# KiCad board berlin.kicad_pcb (continued)
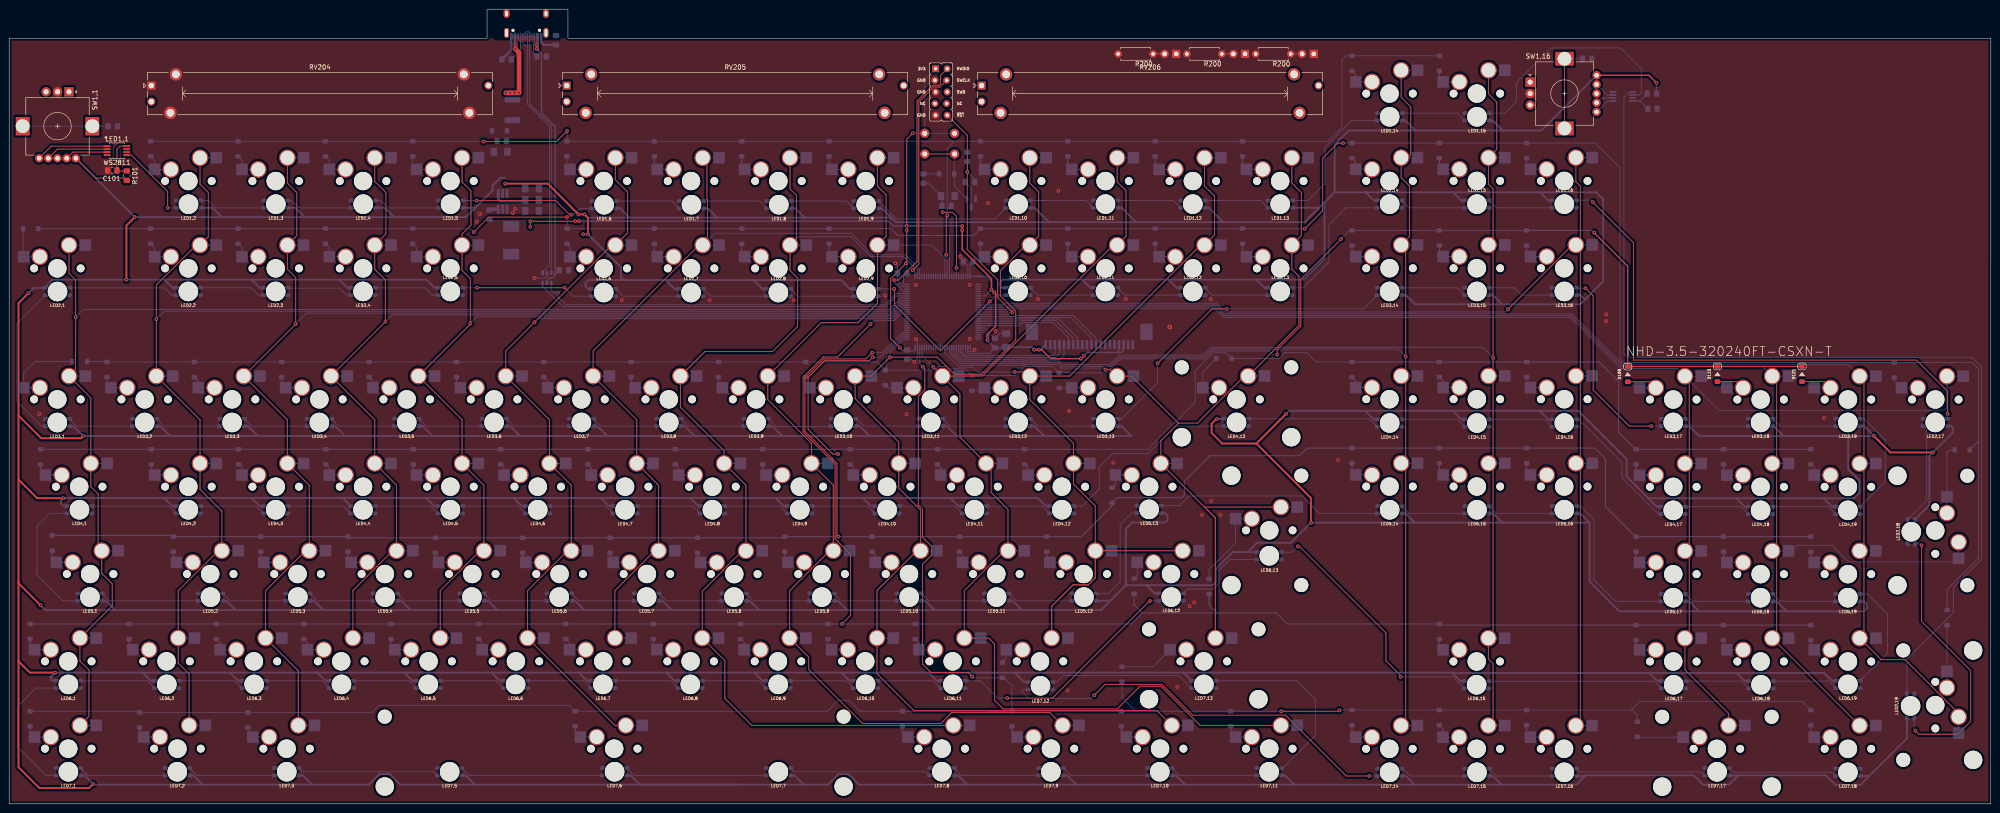
[diagram p0: board, top side]
## Placement (name value [footprint] x y rotation side) (continued)
SW6,17  MXSwitch  [MX100H]  362.93 31.05 180 bottom
SW6,18  MXSwitch  [MX100H]  381.98 31.05 180 bottom
SW6,19  MXSwitch  [MX100H]  401.03 31.05 180 bottom
SW7,1  MXSwitch  [MX125H]  12.89 12.03 180 bottom
SW7,2  MXSwitch  [MX125H]  36.7 12.03 180 bottom
SW7,3  MXSwitch  [MX125H]  60.52 12.03 180 bottom
SW7,6  MXSwitch  [MX625H]  131.95 12.03 180 bottom
SW7,8  MXSwitch  [MX125H]  203.39 12.03 180 bottom
SW7,9  MXSwitch  [MX125H]  227.2 12.03 180 bottom
SW7,10  MXSwitch  [MX125H]  251.02 12.03 180 bottom
SW7,11  MXSwitch  [MX125H]  274.83 12.03 180 bottom
SW7,12  MXSwitch  [MX100H]  224.82 31.08 180 bottom
SW7,13  MXSwitch  [MX275H]  260.54 31.08 180 bottom
SW7,14  MXSwitch  [MX100H]  301.02 12 180 bottom
SW7,15  MXSwitch  [MX100H]  320.07 12 180 bottom
SW7,16  MXSwitch  [MX100H]  339.12 12 180 bottom
SW7,17  MXSwitch  [MX200H]  372.46 12 180 bottom
SW7,18  MXSwitch  [MX100H]  401.03 12 180 bottom
SW201  SW_Push  [SW_PUSH_6mm_H5mm]  206.2 146.27 180 bottom
U501  LQFP100  [STM32F072VBT6]  203.58 107.31 180 bottom
U701  USBLC6-2SC6  [SOT-23-6]  117.28 114.72 270 bottom
U702  AP63203WU-7  [TSOT-23-6_HandSoldering]  107.62 131.42 270 bottom

## Footprints (pads in the part's own frame, mm; a bottom-side part is the same pattern mirrored in y, then rotated)
C_0805_2012Metric_Pad1.15x1.40mm_HandSolder
  rrect 1.15x1.4 smd: 1(-1.025,0) 2(1.025,0)
C_1206_3216Metric_Pad1.42x1.75mm_HandSolder
  rrect 1.425x1.75 smd: 1(-1.488,0) 2(1.488,0)
Conn_ARM_JTAG_SWD_10
  rect 1.524x1.524 hole 0.762: 1(-1.206,5.08)
  oval 1.524x1.524 hole 0.762: 2(1.333,5.08) 3(-1.333,2.54) 4(1.206,2.54) 5(-1.206,0) 6(1.333,0) 7(-1.333,-2.54) 8(1.206,-2.54) 9(-1.206,-5.08) 10(1.333,-5.08)
D_SOD-123
  rrect 1x1.2 smd: 1(-1.65,0) 2(1.65,0)
Fuse_1812_4532Metric_Pad1.30x3.40mm_HandSolder
  rrect 1.3x3.4 smd: 1(-2.225,0) 2(2.225,0)
L_0805_2012Metric_Pad1.15x1.40mm_HandSolder
  rrect 1.15x1.4 smd: 1(-1.025,0) 2(1.025,0)
LED_THT_2.54mm
  round 0.889 smd: (-1.27,0) (1.27,0)
  round 1.778 hole 1.016: A(-1.27,0)
  rrect 1.778x1.778 hole 0.991: K(1.27,0)
MX100H
  round 1.702 hole 1.702 unplated: (-5.08,0) (5.08,0)
  round 3.6 hole 3.048: (-2.54,5.08) (3.81,2.54)
  round 3.988 hole 3.988 unplated: (0,0)
  rrect 2.54x2.54 smd: 1(-6.096,5.08) 2(7.366,2.54)
MX125H
  round 1.702 hole 1.702 unplated: (-5.08,0) (5.08,0)
  round 3.6 hole 3.048: (-2.54,5.08) (3.81,2.54)
  round 3.988 hole 3.988 unplated: (0,0)
  rrect 2.54x2.54 smd: 1(-6.096,5.08) 2(7.366,2.54)
MX150H
  round 1.702 hole 1.702 unplated: (-5.08,0) (5.08,0)
  round 3.6 hole 3.048: (-2.54,5.08) (3.81,2.54)
  round 3.988 hole 3.988 unplated: (0,0)
  rrect 2.54x2.54 smd: 1(-6.096,5.08) 2(7.366,2.54)
MX175H
  round 1.702 hole 1.702 unplated: (-5.08,0) (5.08,0)
  round 3.6 hole 3.048: (-2.54,5.08) (3.81,2.54)
  round 3.988 hole 3.988 unplated: (0,0)
  rrect 2.54x2.54 smd: 1(-6.096,5.08) 2(7.366,2.54)
MX200H
  round 3.988 hole 3.988 unplated: (-11.938,-8.255) (0,0) (11.938,-8.255)
  round 3.048 hole 3.048 unplated: (-11.938,6.985) (11.938,6.985)
  round 1.702 hole 1.702 unplated: (-5.08,0) (5.08,0)
  round 3.6 hole 3.048: (-2.54,5.08) (3.81,2.54)
  rrect 2.54x2.54 smd: 1(-6.096,5.08) 2(7.366,2.54)
MX200HR
  round 3.048 hole 3.048 unplated: (-11.938,-6.985) (11.938,-6.985)
  round 3.988 hole 3.988 unplated: (-11.938,8.255) (0,0) (11.938,8.255)
  round 1.702 hole 1.702 unplated: (-5.08,0) (5.08,0)
  round 3.6 hole 3.048: (-2.54,5.08) (3.81,2.54)
  rrect 2.54x2.54 smd: 1(-6.096,5.08) 2(7.366,2.54)
MX275H
  round 3.988 hole 3.988 unplated: (-11.938,-8.255) (0,0) (11.938,-8.255)
  round 3.048 hole 3.048 unplated: (-11.938,6.985) (11.938,6.985)
  round 1.702 hole 1.702 unplated: (-5.08,0) (5.08,0)
  round 3.6 hole 3.048: (-2.54,5.08) (3.81,2.54)
  rrect 2.54x2.54 smd: 1(-6.096,5.08) 2(7.366,2.54)
MX625H
  round 3.988 hole 3.988 unplated: (-50.038,-8.255) (0,0) (50.038,-8.255)
  round 3.048 hole 3.048 unplated: (-50.038,6.985) (50.038,6.985)
  round 1.702 hole 1.702 unplated: (-5.08,0) (5.08,0)
  round 3.6 hole 3.048: (-2.54,5.08) (3.81,2.54)
  rrect 2.54x2.54 smd: 1(-6.096,5.08) 2(7.366,2.54)
MX_ISOEnterH
  round 3.048 hole 3.048 unplated: (-6.985,-11.938) (-6.985,11.938)
  round 1.702 hole 1.702 unplated: (-5.08,0) (5.08,0)
  round 3.6 hole 3.048: (-2.54,5.08) (3.81,2.54)
  round 3.988 hole 3.988 unplated: (0,0) (8.255,-11.938) (8.255,11.938)
  rrect 2.54x2.54 smd: 1(-6.096,5.08) 2(7.366,2.54)
Potentiometer_Bourns_PTA6043_Single_Slide
  rect 1.75x1.75 hole 1.2: 1(0,0)
  round 1.75 hole 1.2: 2(0,-3.5) 3(73.5,0)
  round 2.7 hole 1.7: MP(4.15,-5.95) MP(5.35,2.45) MP(68.15,2.45) MP(69.35,-5.95)
R_0805_2012Metric_Pad1.15x1.40mm_HandSolder
  rrect 1.15x1.4 smd: 1(-1.025,0) 2(1.025,0)
R_Axial_DIN0207_L6.3mm_D2.5mm_P7.62mm_Horizontal
  round 1.6 hole 0.8: 1(0,0)
  oval 1.6x1.6 hole 0.8: 2(7.62,0)
RotaryEncoder_Switch_RGB
  round 1.8 hole 1: +(14.5,1.5) B(14.5,-0.5) G(14.5,-4.5) R(14.5,-6.5) SW(14.5,-2.5)
  rect 2x2 hole 1.1: A(0,0)
  round 2 hole 1.1: B(0,-5) C(0,-2.5)
  rect 4x3 hole 3: MP(7.5,5.1) MP(7.5,-10.1)
SK6812MINI_3535_6028_3.2x2.8mm_Round
  round 4.25 hole 4.25 unplated: (0,0)
  custom 1.215x0.803 smd far side: 5V(2.667,-0.8) DIN(-2.642,-0.8) DOUT(2.642,0.8)
  custom 1.225x0.85 smd far side: GND(-2.565,0.8)
SOT-23
  rrect 1.475x0.6 smd: 1(-0.938,0.95) 2(-0.938,-0.95) 3(0.938,0)
SOT-23-6
  rect 1.06x0.65 smd: 1(-1.1,0.95)
  rrect 1.06x0.65 smd: 2(-1.1,0) 3(-1.1,-0.95) 4(1.1,-0.95) 5(1.1,0) 6(1.1,0.95)
STM32F072VBT6
  rect 1.194x0.305 smd: 1(-7.75,6) 2(-7.75,5.5) 3(-7.75,5) 4(-7.75,4.5) 5(-7.75,4) 6(-7.75,3.5) 7(-7.75,3) 8(-7.75,2.5) 9(-7.75,2) 10(-7.75,1.5) 11(-7.75,1) 12(-7.75,0.5) 13(-7.75,0) 14(-7.75,-0.5) 15(-7.75,-1) 16(-7.75,-1.5) 17(-7.75,-2) 18(-7.75,-2.5) 19(-7.75,-3) 20(-7.75,-3.5) 21(-7.75,-4) 22(-7.75,-4.5) 23(-7.75,-5) 24(-7.75,-5.5) 25(-7.75,-6) 51(7.75,-6) 52(7.75,-5.5) 53(7.75,-5) 54(7.75,-4.5) 55(7.75,-4) 56(7.75,-3.5) 57(7.75,-3) 58(7.75,-2.5) 59(7.75,-2) 60(7.75,-1.5) 61(7.75,-1) 62(7.75,-0.5) 63(7.75,0) 64(7.75,0.5) 65(7.75,1) 66(7.75,1.5) 67(7.75,2) 68(7.75,2.5) 69(7.75,3) 70(7.75,3.5) 71(7.75,4) 72(7.75,4.5) 73(7.75,5) 74(7.75,5.5) 75(7.75,6)
  rect 0.305x1.194 smd: 26(-6,-7.75) 27(-5.5,-7.75) 28(-5,-7.75) 29(-4.5,-7.75) 30(-4,-7.75) 31(-3.5,-7.75) 32(-3,-7.75) 33(-2.5,-7.75) 34(-2,-7.75) 35(-1.5,-7.75) 36(-1,-7.75) 37(-0.5,-7.75) 38(0,-7.75) 39(0.5,-7.75) 40(1,-7.75) 41(1.5,-7.75) 42(2,-7.75) 43(2.5,-7.75) 44(3,-7.75) 45(3.5,-7.75) 46(4,-7.75) 47(4.5,-7.75) 48(5,-7.75) 49(5.5,-7.75) 50(6,-7.75) 76(6,7.75) 77(5.5,7.75) 78(5,7.75) 79(4.5,7.75) 80(4,7.75) 81(3.5,7.75) 82(3,7.75) 83(2.5,7.75) 84(2,7.75) 85(1.5,7.75) 86(1,7.75) 87(0.5,7.75) 88(0,7.75) 89(-0.5,7.75) 90(-1,7.75) 91(-1.5,7.75) 92(-2,7.75) 93(-2.5,7.75) 94(-3,7.75) 95(-3.5,7.75) 96(-4,7.75) 97(-4.5,7.75) 98(-5,7.75) 99(-5.5,7.75) 100(-6,7.75)
Sumida0624CDMCC
  rect 2.35x3.5 smd: 1(-3.025,0) 2(3.025,0)
SW_PUSH_6mm_H5mm
  round 2 hole 1.1: 1(0,0) 1(6.5,0) 2(0,-4.5) 2(6.5,-4.5)
TE_2-84953-0_1x20-1MP_P1.0mm_Horizontal
  rect 0.61x2 smd: 1(-9.5,1.8) 2(-8.5,1.8) 3/clk(-7.5,1.8) 4/spi1(-6.5,1.8) 5/spi0(-5.5,1.8) 6/cs(-4.5,1.8) 7/INT(-3.5,1.8) 8/PD(-2.5,1.8) 9/spk(-1.5,1.8) 10-NC(-0.5,1.8) 11/spi2(0.5,1.8) 12/spi3(1.5,1.8) 13-NC(2.5,1.8) 14-NC(3.5,1.8) 15-NC(4.5,1.8) 16-NC(5.5,1.8) 17(6.5,1.8) 18(7.5,1.8) 19(8.5,1.8) 20(9.5,1.8)
  rect 2.68x3.6 smd: MP(-12.49,-1) MP(12.49,-1)
TSOT-23-6_HandSoldering
  rect 2x0.65 smd: 1(-1.71,0.95) 2(-1.71,0) 3(-1.71,-0.95) 4(1.71,-0.95) 5(1.71,0) 6(1.71,0.95)
TYPE-C-31-M-12
  round 0.65 hole 0.65 unplated: (-2.89,-2.051) (2.89,-2.051)
  rrect 0.6x1.45 smd: A1(-3.25,-1.275) A4(-2.45,-1.275) B1(3.25,-1.275) B4(2.45,-1.275)
  rrect 0.3x1.45 smd: A5(-1.25,-1.275) A6(-0.254,-1.275) A7(0.25,-1.275) A8(1.25,-1.275) B5(1.75,-1.275) B6(0.75,-1.275) B7(-0.75,-1.275) B8(-1.75,-1.275)
  oval 1.3x1.9 hole 0.6x1.2: S(-4.3,-5.7) S(4.3,-5.7)
  oval 1.1x2.2 hole 0.6x1.7: S(-4.3,-1.5) S(4.3,-1.5)
WS2811S
  rect 1.487x0.431 smd: 1(-2.134,0.975) 2(-2.134,0.325) 3(-2.134,-0.325) 4(-2.134,-0.975) 5(2.134,-0.975) 6(2.134,-0.325) 7(2.134,0.325) 8(2.134,0.975)

## Nets
3V3: C704.1 C705.1 C706.1 C707.1 C708.1 C709.1 C710.1 C717.1 J202.1 J203.1 J203.17 J203.18 L701.2 RV204.3 SW201.1 U501.6 U501.21 U501.28 U501.50 U501.75 U501.100 U702.1
5V: C701.1 D701.1 F701.1 LED1,2.5V LED1,3.5V LED1,4.5V LED1,5.5V LED1,6.5V LED1,7.5V LED1,8.5V LED1,9.5V LED1,10.5V LED1,11.5V LED1,12.5V LED1,13.5V LED1,14.5V LED1,15.5V LED2,1.5V LED2,2.5V LED2,3.5V LED2,4.5V LED2,5.5V LED2,6.5V LED2,7.5V LED2,8.5V LED2,9.5V LED2,10.5V LED2,11.5V LED2,12.5V LED2,13.5V LED2,14.5V LED2,15.5V LED2,16.5V LED2,17.5V LED2,18.5V LED2,19.5V LED3,1.5V LED3,2.5V LED3,3.5V LED3,4.5V LED3,5.5V LED3,6.5V LED3,7.5V LED3,8.5V LED3,9.5V LED3,10.5V LED3,11.5V LED3,12.5V LED3,13.5V LED3,14.5V LED3,15.5V LED3,16.5V LED3,17.5V LED3,18.5V LED3,19.5V LED4,1.5V LED4,2.5V LED4,3.5V LED4,4.5V LED4,5.5V LED4,6.5V LED4,7.5V LED4,8.5V LED4,9.5V LED4,10.5V LED4,11.5V LED4,12.5V LED4,13.5V LED4,14.5V LED4,15.5V LED4,16.5V LED4,17.5V LED4,18.5V LED4,19.5V LED5,1.5V LED5,2.5V LED5,3.5V LED5,4.5V LED5,5.5V LED5,6.5V LED5,7.5V LED5,8.5V LED5,9.5V LED5,10.5V LED5,11.5V LED5,12.5V LED5,13.5V LED5,14.5V LED5,15.5V LED5,16.5V LED5,17.5V LED5,18.5V LED5,19.5V LED6,1.5V LED6,2.5V LED6,3.5V LED6,4.5V LED6,5.5V LED6,6.5V LED6,7.5V LED6,8.5V LED6,9.5V LED6,10.5V LED6,11.5V LED6,12.5V LED6,13.5V LED6,15.5V LED6,17.5V LED6,18.5V LED6,19.5V LED7,1.5V LED7,2.5V LED7,3.5V LED7,5.5V LED7,6.5V LED7,7.5V LED7,8.5V LED7,9.5V LED7,10.5V LED7,11.5V LED7,12.5V LED7,13.5V LED7,14.5V LED7,15.5V LED7,16.5V LED7,17.5V LED7,18.5V R101.1 R102.1 R701.2 SW1,1.+ SW1,16.+ U702.2 U702.3
GND: C101.2 C102.2 C701.2 C704.2 C705.2 C706.2 C707.2 C708.2 C709.2 C710.2 C711.2 C714.2 C715.2 C717.2 D701.2 J201.A1 J201.B1 J202.3 J202.5 J202.9 J203.2 J203.19 J203.20 L1.1 L2.1 L702.2 LED1,2.GND LED1,3.GND LED1,4.GND LED1,5.GND LED1,6.GND LED1,7.GND LED1,8.GND LED1,9.GND LED1,10.GND LED1,11.GND LED1,12.GND LED1,13.GND LED1,14.GND LED1,15.GND LED2,1.GND LED2,2.GND LED2,3.GND LED2,4.GND LED2,5.GND LED2,6.GND LED2,7.GND LED2,8.GND LED2,9.GND LED2,10.GND LED2,11.GND LED2,12.GND LED2,13.GND LED2,14.GND LED2,15.GND LED2,16.GND LED2,17.GND LED2,18.GND LED2,19.GND LED3,1.GND LED3,2.GND LED3,3.GND LED3,4.GND LED3,5.GND LED3,6.GND LED3,7.GND LED3,8.GND LED3,9.GND LED3,10.GND LED3,11.GND LED3,12.GND LED3,13.GND LED3,14.GND LED3,15.GND LED3,16.GND LED3,17.GND LED3,18.GND LED3,19.GND LED4,1.GND LED4,2.GND LED4,3.GND LED4,4.GND LED4,5.GND LED4,6.GND LED4,7.GND LED4,8.GND LED4,9.GND LED4,10.GND LED4,11.GND LED4,12.GND LED4,13.GND LED4,14.GND LED4,15.GND LED4,16.GND LED4,17.GND LED4,18.GND LED4,19.GND LED5,1.GND LED5,2.GND LED5,3.GND LED5,4.GND LED5,5.GND LED5,6.GND LED5,7.GND LED5,8.GND LED5,9.GND LED5,10.GND LED5,11.GND LED5,12.GND LED5,13.GND LED5,14.GND LED5,15.GND LED5,16.GND LED5,17.GND LED5,18.GND LED5,19.GND LED6,1.GND LED6,2.GND LED6,3.GND LED6,4.GND LED6,5.GND LED6,6.GND LED6,7.GND LED6,8.GND LED6,9.GND LED6,10.GND LED6,11.GND LED6,12.GND LED6,13.GND LED6,15.GND LED6,17.GND LED6,18.GND LED6,19.GND LED7,1.GND LED7,2.GND LED7,3.GND LED7,5.GND LED7,6.GND LED7,7.GND LED7,8.GND LED7,9.GND LED7,10.GND LED7,11.GND LED7,12.GND LED7,13.GND LED7,14.GND LED7,15.GND LED7,16.GND LED7,17.GND LED7,18.GND LED36.K LED36#2.K LED36#3.K Q701.2 R701.1 R702.1 R705.1 R706.2 RV204.1 RV204.MP SW1,1.C SW1,16.C U501.20 U501.27 U501.49 U501.74 U501.99 U701.2 U702.4
VBUS: C714.1 F701.2 J201.A4 J201.B4 U701.5
BOOT0: C715.1 R702.2 R711.1 U501.94
BST: C703.1 U702.6
CC1: J201.A5 R706.1
CC2: J201.B5 R705.2
Col1: SW2,1. SW2,1.1 SW3,1. SW3,1.1 SW4,1. SW4,1.1 SW5,1. SW5,1.1 SW6,1. SW6,1.1 SW7,1. SW7,1.1 U501.69
Col2: SW1,2. SW1,2.1 SW2,2. SW2,2.1 SW3,2. SW3,2.1 SW4,2. SW4,2.1 SW5,2. SW5,2.1 SW6,2. SW6,2.1 SW7,2. SW7,2.1 U501.68
Col3: SW1,3. SW1,3.1 SW2,3. SW2,3.1 SW3,3. SW3,3.1 SW4,3. SW4,3.1 SW5,3. SW5,3.1 SW6,3. SW6,3.1 SW7,3. SW7,3.1 U501.67
Col4: SW1,4. SW1,4.1 SW2,4. SW2,4.1 SW3,4. SW3,4.1 SW4,4. SW4,4.1 SW5,4. SW5,4.1 SW6,4. SW6,4.1 U501.66
Col5: SW1,5. SW1,5.1 SW2,5. SW2,5.1 SW3,5. SW3,5.1 SW4,5. SW4,5.1 SW5,5. SW5,5.1 SW6,5. SW6,5.1 U501.65
Col6: SW1,6. SW1,6.1 SW2,6. SW2,6.1 SW3,6. SW3,6.1 SW4,6. SW4,6.1 SW5,6. SW5,6.1 SW6,6. SW6,6.1 SW7,6. SW7,6.1 U501.64
Col7: SW1,7. SW1,7.1 SW2,7. SW2,7.1 SW3,7. SW3,7.1 SW4,7. SW4,7.1 SW5,7. SW5,7.1 SW6,7. SW6,7.1 U501.78
Col8: SW1,8. SW1,8.1 SW2,8. SW2,8.1 SW3,8. SW3,8.1 SW4,8. SW4,8.1 SW5,8. SW5,8.1 SW6,8. SW6,8.1 SW7,8. SW7,8.1 U501.77
Col9: SW1,9. SW1,9.1 SW2,9. SW2,9.1 SW3,9. SW3,9.1 SW4,9. SW4,9.1 SW5,9. SW5,9.1 SW6,9. SW6,9.1 SW7,9. SW7,9.1 U501.89
Col10: SW1,10. SW1,10.1 SW2,10. SW2,10.1 SW3,10. SW3,10.1 SW4,10. SW4,10.1 SW5,10. SW5,10.1 SW6,10. SW6,10.1 SW7,10. SW7,10.1 U501.51
Col11: SW1,11. SW1,11.1 SW2,11. SW2,11.1 SW3,11. SW3,11.1 SW4,11. SW4,11.1 SW5,11. SW5,11.1 SW6,11. SW6,11.1 SW7,11. SW7,11.1 U501.47
Col12: SW1,12. SW1,12.1 SW2,12. SW2,12.1 SW3,12. SW3,12.1 SW4,12. SW4,12.1 SW5,12. SW5,12.1 SW6,12. SW6,12.1 SW7,12. U501.37
Col13: SW1,13. SW1,13.1 SW2,13. SW2,13.1 SW3,13. SW3,13.1 SW4,13. SW4,13.1 SW5,13. SW5,13.1 SW6,13. SW6,13.1 SW7,13. U501.35
Col14: SW1,14. SW1,14.1 SW2,14. SW2,14.1 SW3,14. SW3,14.1 SW4,14. SW4,14.1 SW5,14. SW5,14.1 SW7,14. SW7,14.1 U501.34
Col15: SW1,15. SW1,15.1 SW2,15. SW2,15.1 SW3,15. SW3,15.1 SW4,15. SW4,15.1 SW5,15. SW5,15.1 SW6,15. SW6,15.1 SW7,15. SW7,15.1 U501.33
Col16: SW2,16. SW2,16.1 SW3,16. SW3,16.1 SW4,16. SW4,16.1 SW5,16. SW5,16.1 SW7,16. SW7,16.1 U501.10
Col17: SW2,17. SW2,17.1 SW3,17. SW3,17.1 SW4,17. SW4,17.1 SW5,17. SW5,17.1 SW6,17. SW6,17.1 SW7,17. SW7,17.1 U501.13
Col18: SW2,18. SW2,18.1 SW3,18. SW3,18.1 SW4,18. SW4,18.1 SW5,18. SW5,18.1 SW6,18. SW6,18.1 SW7,18. SW7,18.1 U501.12
Col19: SW2,19. SW2,19.1 SW3,19. SW3,19.1 SW4,19. SW4,19.1 SW5,19. SW5,19.1 SW6,19. SW6,19.1 U501.11
D+: U501.71 U701.4
D-: U501.70 U701.6
Dbus+: J201.A6 J201.B6 U701.3
Dbus-: J201.A7 J201.B7 U701.1
NRST: C711.1 J202.10 R703.1 U501.14
Row1: D8.1 D15.1 D22.1 D28.1 D34.1 D41.1 D47.1 D54.1 D61.1 D68.1 D75.1 D82.1 D89.1 D95.1 U501.90
Row2: D2.1 D9.1 D16.1 D23.1 D29.1 D35.1 D42.1 D48.1 D55.1 D62.1 D69.1 D76.1 D83.1 D90.1 D96.1 D103.1 D108.1 D114.1 D120.1 U501.91
Row3: D3.1 D10.1 D17.1 D24.1 D30.1 D36.1 D43.1 D49.1 D56.1 D63.1 D70.1 D77.1 D84.1 D91.1 D97.1 D104.1 D109.1 D115.1 D121.1 U501.52
Row4: D4.1 D11.1 D18.1 D25.1 D31.1 D37.1 D44.1 D50.1 D57.1 D64.1 D71.1 D78.1 D85.1 D92.1 D98.1 D105.1 D110.1 D116.1 D122.1 U501.53
Row5: D5.1 D12.1 D19.1 D26.1 D32.1 D38.1 D45.1 D51.1 D58.1 D65.1 D72.1 D79.1 D86.1 D93.1 D99.1 D106.1 D111.1 D117.1 D123.1 U501.54
Row6: D6.1 D13.1 D20.1 D27.1 D33.1 D39.1 D46.1 D52.1 D59.1 D66.1 D73.1 D80.1 D87.1 D100.1 D112.1 D118.1 D124.1 U501.63
Row7: D7.1 D14.1 D21.1 D40.1 D53.1 D60.1 D67.1 D74.1 D81.1 D88.1 D94.1 D101.1 D107.1 D113.1 D119.1 U501.48
S: J201.S L702.1
SBU1: J201.A8
SBU2: J201.B8
SW: C703.2 L701.1 U702.5
SWCLK: J202.4 U501.76
SWDIO: J202.2 U501.72

Pads without a net: C101 1; C102 1; D2 2; D3 2; D4 2; D5 2; D6 2; D7 2; D8 2; D9 2; D10 2; D11 2; D12 2; D13 2; D14 2; D15 2; D16 2; D17 2; D18 2; D19 2; D20 2; D21 2; D22 2; D23 2; D24 2; D25 2; D26 2; D27 2; D28 2; D29 2; D30 2; D31 2; D32 2; D33 2; D34 2; D35 2; D36 2; D37 2; D38 2; D39 2; D40 2; D41 2; D42 2; D43 2; D44 2; D45 2; D46 2; D47 2; D48 2; D49 2; D50 2; D51 2; D52 2; D53 2; D54 2; D55 2; D56 2; D57 2; D58 2; D59 2; D60 2; D61 2; D62 2; D63 2; D64 2; D65 2; D66 2; D67 2; D68 2; D69 2; D70 2; D71 2; D72 2; D73 2; D74 2; D75 2; D76 2; D77 2; D78 2; D79 2; D80 2; D81 2; D82 2; D83 2; D84 2; D85 2; D86 2; D87 2; D88 2; D89 2; D90 2; D91 2; D92 2; D93 2; D94 2; D95 2; D96 2; D97 2; D98 2; D99 2; D100 2; D101 2; D103 2; D104 2; D105 2; D106 2; D107 2; D108 2; D109 2; D110 2; D111 2; D112 2; D113 2; D114 2; D115 2; D116 2; D117 2; D118 2; D119 2; D120 2; D121 2; D122 2; D123 2; D124 2; D703 1 2; J202 6 7 8; J203 3/clk 4/spi1 5/spi0 6/cs 7/INT 8/PD 9/spk 10-NC 11/spi2 12/spi3 13-NC 14-NC 15-NC 16-NC MP; L1 2; L2 2; LED1,1 1 2 3 4 5 6 7 8; LED1,2 DIN DOUT; LED1,3 DIN DOUT; LED1,4 DIN DOUT; LED1,5 DIN DOUT; LED1,6 DIN DOUT; LED1,7 DIN DOUT; LED1,8 DIN DOUT; LED1,9 DIN DOUT; LED1,10 DIN DOUT; LED1,11 DIN DOUT; LED1,12 DIN DOUT; LED1,13 DIN DOUT; LED1,14 DIN DOUT; LED1,15 DIN DOUT; LED1,16 1 2 3 4 5 6 7 8; LED2,1 DIN DOUT; LED2,2 DIN DOUT; LED2,3 DIN DOUT; LED2,4 DIN DOUT; LED2,5 DIN DOUT; LED2,6 DIN DOUT; LED2,7 DIN DOUT; LED2,8 DIN DOUT; LED2,9 DIN DOUT; LED2,10 DIN DOUT; LED2,11 DIN DOUT; LED2,12 DIN DOUT; LED2,13 DIN DOUT; LED2,14 DIN DOUT; LED2,15 DIN DOUT; LED2,16 DIN DOUT; LED2,17 DIN DOUT; LED2,18 DIN DOUT; LED2,19 DIN DOUT; LED3,1 DIN DOUT; LED3,2 DIN DOUT; LED3,3 DIN DOUT; LED3,4 DIN DOUT; LED3,5 DIN DOUT; LED3,6 DIN DOUT; LED3,7 DIN DOUT; LED3,8 DIN DOUT; LED3,9 DIN DOUT; LED3,10 DIN DOUT; LED3,11 DIN DOUT; LED3,12 DIN DOUT; LED3,13 DIN DOUT; LED3,14 DIN DOUT; LED3,15 DIN DOUT; LED3,16 DIN DOUT; LED3,17 DIN DOUT; LED3,18 DIN DOUT; LED3,19 DIN DOUT; LED4,1 DIN DOUT; LED4,2 DIN DOUT; LED4,3 DIN DOUT; LED4,4 DIN DOUT; LED4,5 DIN DOUT; LED4,6 DIN DOUT; LED4,7 DIN DOUT; LED4,8 DIN DOUT; LED4,9 DIN DOUT; LED4,10 DIN DOUT; LED4,11 DIN DOUT; LED4,12 DIN DOUT; LED4,13 DIN DOUT; LED4,14 DIN DOUT; LED4,15 DIN DOUT; LED4,16 DIN DOUT; LED4,17 DIN DOUT; LED4,18 DIN DOUT; LED4,19 DIN DOUT; LED5,1 DIN DOUT; LED5,2 DIN DOUT; LED5,3 DIN DOUT; LED5,4 DIN DOUT; LED5,5 DIN DOUT; LED5,6 DIN DOUT; LED5,7 DIN DOUT; LED5,8 DIN DOUT; LED5,9 DIN DOUT; LED5,10 DIN DOUT; LED5,11 DIN DOUT; LED5,12 DIN DOUT; LED5,13 DIN DOUT; LED5,14 DIN DOUT; LED5,15 DIN DOUT; LED5,16 DIN DOUT; LED5,17 DIN DOUT; LED5,18 DIN DOUT; LED5,19 DIN DOUT; LED6,1 DIN DOUT; LED6,2 DIN DOUT; LED6,3 DIN DOUT; LED6,4 DIN DOUT; LED6,5 DIN DOUT; LED6,6 DIN DOUT; LED6,7 DIN DOUT; LED6,8 DIN DOUT; LED6,9 DIN DOUT; LED6,10 DIN DOUT; LED6,11 DIN DOUT; LED6,12 DIN DOUT; LED6,13 DIN DOUT; LED6,15 DIN DOUT; LED6,17 DIN DOUT; LED6,18 DIN DOUT; LED6,19 DIN DOUT; LED7,1 DIN DOUT; LED7,2 DIN DOUT; LED7,3 DIN DOUT; LED7,5 DIN DOUT; LED7,6 DIN DOUT; LED7,7 DIN DOUT; LED7,8 DIN DOUT; LED7,9 DIN DOUT; LED7,10 DIN DOUT; LED7,11 DIN DOUT; LED7,12 DIN DOUT; LED7,13 DIN DOUT; LED7,14 DIN DOUT; LED7,15 DIN DOUT; LED7,16 DIN DOUT; LED7,17 DIN DOUT; LED7,18 DIN DOUT; LED36 A; LED36#2 A; LED36#3 A; Q701 1 3; R101 2; R102 2; R200 1 2; R200#2 1 2; R200#3 1 2; R703 2; R711 2; RV204 2; RV205 1 2 3 MP; RV206 1 2 3 MP; SW1,1 A B G MP R SW; SW1,2 2; SW1,3 2; SW1,4 2; SW1,5 2; SW1,6 2; SW1,7 2; SW1,8 2; SW1,9 2; SW1,10 2; SW1,11 2; SW1,12 2; SW1,13 2; SW1,14 2; SW1,15 2; SW1,16 A B G MP R SW; SW2,1 2; SW2,2 2; SW2,3 2; SW2,4 2; SW2,5 2; SW2,6 2; SW2,7 2; SW2,8 2; SW2,9 2; SW2,10 2; SW2,11 2; SW2,12 2; SW2,13 2; SW2,14 2; SW2,15 2; SW2,16 2; SW2,17 2; SW2,18 2; SW2,19 2; SW3,1 2; SW3,2 2; SW3,3 2; SW3,4 2; SW3,5 2; SW3,6 2; SW3,7 2; SW3,8 2; SW3,9 2; SW3,10 2; SW3,11 2; SW3,12 2; SW3,13 2; SW3,14 2; SW3,15 2; SW3,16 2; SW3,17 2; SW3,18 2; SW3,19 2; SW4,1 2; SW4,2 2; SW4,3 2; SW4,4 2; SW4,5 2; SW4,6 2; SW4,7 2; SW4,8 2; SW4,9 2; SW4,10 2; SW4,11 2; SW4,12 2; SW4,13 2; SW4,14 2; SW4,15 2; SW4,16 2; SW4,17 2; SW4,18 2; SW4,19 2; SW5,1 2; SW5,2 2; SW5,3 2; SW5,4 2; SW5,5 2; SW5,6 2; SW5,7 2; SW5,8 2; SW5,9 2; SW5,10 2; SW5,11 2; SW5,12 2; SW5,13 2; SW5,14 2; SW5,15 2; SW5,16 2; SW5,17 2; SW5,18 2; SW5,19 2; SW6,1 2; SW6,2 2; SW6,3 2; SW6,4 2; SW6,5 2; SW6,6 2; SW6,7 2; SW6,8 2; SW6,9 2; SW6,10 2; SW6,11 2; SW6,12 2; SW6,13 2; SW6,15 2; SW6,17 2; SW6,18 2; SW6,19 2; SW7,1 2; SW7,2 2; SW7,3 2; SW7,6 2; SW7,8 2; SW7,9 2; SW7,10 2; SW7,11 2; SW7,12 1 2; SW7,13 1 2; SW7,14 2; SW7,15 2; SW7,16 2; SW7,17 2; SW7,18 2; SW201 2; U501 1 2 3 4 5 7 8 9 15 16 17 18 19 22 23 24 25 26 29 30 31 32 36 38 39 40 41 42 43 44 45 46 55 56 57 58 59 60 61 62 73 79 80 81 82 83 84 85 86 87 88 92 93 95 96 97 98

## Via types
v1: diameter 0.8, hole 0.4, Top to Bottom, 145 vias
v2: diameter 1, hole 0.4, Top to Bottom, 1 via

## Routing (per net, layer and track width the routed paths; a pad name or vN(x,y) marks a point on that pad's centre or on a via; arc(x,y) is an arc through that point)
3V3: length 277.4
  Top w0.2: v1(195.77,126.09) 195.77,144.99 v1(197.07,146.29) ; v1(113.67,125.89) v1(113.67,127.06) 113.69,127.09 v1(123.44,127.09) ; v1(195.77,125.09) 195.77,118.09 v1(195.57,117.89) 195.57,117.89 192.24,114.57 192.24,101.51 v1(194.21,99.54)
  Top w0.3: v1(223.58,99.07) v1(224.57,99.07) 225.21,99.07 227.16,97.12 v1(233.74,97.12) ; v1(214.85,111.55) 215.15,111.25 215.15,104.19 213.38,102.42 v1(213.38,102.06) ; v1(214.24,112.17) 214.24,114.53 207.86,120.91 v1(207.86,125.13) 207.84,125.15 v1(207.84,126.04) ; v1(123.44,127.09) 124.29,127.09 v1(124.3,127.1)
  Bottom w0.2: U501.28 208.58,98.65 208.96,98.27 213.76,98.27 C707.1 ; SW201.1 199.7,158.04 202.03,160.38 J202.1 ; SW201.1 197.09,146.27 v1(197.07,146.29) ; SW201.1 SW201.1 ; U501.75 195.19,113.32 195.07,113.44 195.07,115 C709.1 195.79,117.67 v1(195.57,117.89) ; 213.36,102.25 212.3,103.31 U501.21 ; C710.1 209.58,117.7 U501.100 209.58,115.06 ; v1(194.21,99.54) 194.73,99.02 C708.1 196.06,98.79 197.37,98.79 197.58,99 U501.50 ; v1(214.24,112.17) 212.88,110.82 U501.6
  Bottom w0.3: 241.56,98.47 242.06,98.97 J203.17 ; 241.56,98.47 235.09,98.47 v1(234.38,97.76) v1(233.74,97.12) ; 241.56,98.47 242.59,98.47 243.06,98.94 J203.18 ; v1(195.77,126.09) 192.77,126.09 191.77,127.09 124.31,127.09 v1(124.3,127.1) ; v1(195.77,126.09) v1(195.77,125.09) ; v1(195.77,126.09) 207.79,126.09 v1(207.84,126.04) ; v1(214.85,111.55) 214.24,112.16 v1(214.24,112.17) 214.24,113.96 213.13,115.06 209.58,115.06 ; C706.1 217.32,99.49 C707.1 213.36,101.12 213.36,102.25
  Bottom w0.4: J203.1 224.97,99.07 v1(224.57,99.07) ; C706.1 223.02,99.62 v1(223.58,99.07)
  Bottom w0.5: C704.1 112.29,131.47 107.13,131.47 106.67,131.93 U702.1
  vias: v1(213.38,101.15)
5V: length 3346.2
  Top w0.2: SW1,1.+ 18.88,136.49 25.17,136.49 R101.1
  Top w0.3: SW1,16.+ 357.62,158.94 v1(359.27,157.29)
  Top w0.4: v1(27.38,127.99) 27.38,127.97 25.58,126.16 v1(25.58,114.35) ; 2.03,48.51 2.03,70.74 ; 2.03,48.51 2.03,31.24 ; 2.03,48.51 2.03,48.13 v1(6.86,43.31) ; 2.03,70.74 6.1,66.67 v1(11.81,66.67) ; 2.03,70.74 2.03,84.71 ; v1(278.51,85.09) 272.02,78.6 ; v1(16.15,80.25) 15.65,79.76 6.98,79.76 2.03,84.71 ; 2.03,31.24 2.03,31.11 4.52,28.63 v1(10,28.63) ; 2.03,31.24 2.03,8 6.6,3.43 17.4,3.43 v1(18.31,4.34) ; 272.02,78.6 283.92,66.7 283.92,61.35 v1(283.95,61.32) ; 272.02,78.6 264.56,78.6 262.25,80.9 262.25,82.93 263.27,83.95 v1(263.4,83.95) ; 2.03,84.71 2.03,109.22 v1(4.19,111.38) ; v1(126.23,124.25) 126.23,127.83 v1(125.47,128.59) v1(124.17,128.59) 117.47,135.29 v1(108.17,135.29) ; v1(406.73,80.25) 406.73,80.2 410.27,76.66 v1(419.59,76.66)
  Bottom w0.2: 359.29,157.26 v1(359.27,157.29) ; 101.63,130.01 101.74,130.12
  Bottom w0.3: R102.1 359.29,157.26
  Bottom w0.4: 124.23,28.63 143.33,28.63 145.11,26.85 LED6,8.5V ; 124.23,28.63 105.23,28.63 ; 124.23,28.63 126.01,26.85 LED6,7.5V ; 333.91,133.4 346.1,133.4 347.65,131.86 347.65,113.99 342.65,108.99 325.59,108.99 ; 333.91,133.4 335.69,131.62 LED2,16.5V ; 333.91,133.4 314.93,133.4 ; LED2,6.5V 126.26,112.34 125.69,112.91 125.69,113.61 126.34,114.26 134.02,114.26 ; LED4,16.5V 335.66,83.87 333.8,85.74 ; 205.26,66.73 224.29,66.73 226.07,64.95 LED4,12.5V ; 205.26,66.73 207.04,64.95 LED4,11.5V ; 205.26,66.73 186.17,66.73 ; LED6,4.5V 69.01,26.85 67.23,28.63 ; LED6,11.5V 202.31,26.85 200.53,28.63 ; 333.8,85.74 314.82,85.74 ; 333.8,85.74 342.22,85.74 352.77,75.19 352.77,71.39 357.5,66.66 ; 314.82,85.74 316.68,83.87 LED4,15.5V ; 314.82,85.74 295.78,85.74 ; 181.53,28.63 200.53,28.63 ; 181.53,28.63 183.31,26.85 LED6,10.5V ; 181.53,28.63 162.53,28.63 ; 200.53,28.63 219.32,28.63 ; LED3,12.5V 223.59,82.4 225.74,80.25 ; LED4,4.5V 74.5,64.95 72.72,66.73 71.83,66.73 ; LED6,19.5V 397.53,26.85 396,28.38 ; 343.86,6.21 343.72,6.07 LED7,16.5V ; 343.86,6.21 341.84,4.19 325.49,4.19 ; 343.86,6.21 367.42,6.21 369.43,4.2 375.11,4.2 377.14,6.23 ; 144.53,42.26 163.59,42.26 ; 144.53,42.26 125.49,42.26 ; 144.53,42.26 142.49,44.3 LED5,7.5V ; 163.59,42.26 161.55,44.3 LED5,8.5V ; 163.59,42.26 201.85,42.26 ; 110.01,66.73 129.05,66.73 ; 110.01,66.73 111.79,64.95 LED4,6.5V ; 110.01,66.73 90.94,66.73 ; 129.05,66.73 167.15,66.73 ; 129.05,66.73 130.83,64.95 LED4,7.5V ; 379.31,26.85 378.46,26.85 376.76,28.55 ; 270.1,54.92 272.14,56.95 279.52,56.95 283.89,61.32 v1(283.95,61.32) 283.96,61.33 344.7,61.33 ; 192.37,127.89 193.37,126.89 226.77,126.89 ; 192.37,127.89 190.36,129.9 LED1,9.5V ; 192.37,127.89 173.47,127.89 ; 280.27,4.19 278.26,6.2 LED7,11.5V ; 280.27,4.19 256.47,4.19 ; 280.27,4.19 306.52,4.19 ; 376.7,66.66 378.53,64.82 LED4,18.5V ; 376.7,66.66 357.5,66.66 ; 376.7,66.66 395.42,66.66 ; 314.69,28.6 314.75,28.55 357.36,28.55 ; 368.59,41.99 351.19,41.99 344.7,48.48 344.7,61.33 ; 368.59,41.99 387.66,41.99 ; 368.59,41.99 366.4,44.17 LED5,17.5V ; v1(4.19,111.38) 5.37,112.56 LED2,1.5V 7.87,112.74 9.48,114.35 33.88,114.35 ; 106.54,42.26 106.44,42.26 104.4,44.3 LED5,5.5V ; 106.54,42.26 125.49,42.26 ; 106.54,42.26 87.58,42.26 ; 240.25,44.4 243.53,47.69 ; 240.25,44.4 240.15,44.3 LED5,12.5V ; 240.25,44.4 238.11,42.26 220.88,42.26 ; 243.53,47.69 243.53,59.99 244.94,61.39 252.13,61.39 252.64,61.9 252.64,62.91 252.11,63.44 LED5,13.5V ; 243.53,47.69 248.07,47.69 248.1,47.66 ; 92.38,80.25 111.43,80.25 ; 92.38,80.25 73.24,80.25 ; 92.38,80.25 90.23,82.4 LED3,5.5V ; 111.43,80.25 130.45,80.25 ; 111.43,80.25 109.28,82.4 LED3,6.5V ; 125.49,42.26 123.45,44.3 LED5,6.5V ; LED6,9.5V 164.31,26.85 162.53,28.63 ; 206.68,80.25 204.53,82.4 LED3,11.5V ; 206.68,80.25 225.74,80.25 ; 206.68,80.25 187.66,80.25 ; LED4,17.5V 359.33,64.82 357.5,66.66 ; LED6,5.5V 87.91,26.85 86.13,28.63 ; 33.88,114.35 33.88,114.35 52.85,114.35 ; 33.88,114.35 35.65,112.57 LED2,2.5V ; 314.93,133.4 316.71,131.62 LED2,15.5V ; 314.93,133.4 295.86,133.4 ; 101.57,4.19 99.57,6.19 98.73,6.19 ; 344.7,61.33 342.68,63.35 LED5,16.5V ; 71.98,114.35 91,114.35 92.78,112.57 LED2,5.5V ; 71.98,114.35 52.85,114.35 ; 71.98,114.35 73.76,112.57 LED2,4.5V ; LED2,13.5V 273.74,112.57 271.96,114.35 ; LED7,15.5V 323.6,6.07 325.49,4.19 ; 325.99,61.33 325.67,61.33 323.65,63.35 LED5,15.5V ; 225.74,80.25 244.77,80.25 242.63,82.38 LED3,13.5V ; 360.26,26.85 359.41,26.85 357.71,28.55 357.36,28.55 ; 162.53,28.63 143.29,28.63 ; 232.77,4.19 230.76,6.2 LED7,9.5V ; 232.77,4.19 256.47,4.19 ; 232.77,4.19 208.97,4.19 ; 29.2,28.63 29.17,28.59 30.91,26.85 LED6,2.5V ; 29.2,28.63 48.2,28.63 ; 29.2,28.63 v1(10,28.63) 9.12,27.74 9.12,27.14 9.41,26.85 LED6,1.5V ; LED5,1.5V 21.13,44.3 23.17,42.26 ; LED2,9.5V 183.37,112.34 181.45,114.26 162.36,114.26 ; 68.54,42.26 87.58,42.26 ; 68.54,42.26 49.45,42.26 ; 68.54,42.26 66.5,44.3 LED5,3.5V ; 87.58,42.26 85.54,44.3 LED5,4.5V ; 295.86,133.4 289.14,133.4 ; 295.86,133.4 297.64,131.62 LED2,14.5V ; 130.45,80.25 128.3,82.4 LED3,7.5V ; 130.45,80.25 149.52,80.25 ; 387.66,41.99 385.47,44.17 LED5,18.5V ; 387.66,41.99 404.51,41.99 405.17,42.64 405.17,43.57 404.56,44.17 LED5,19.5V ; LED7,12.5V 221.4,26.55 219.32,28.63 ; 325.59,108.99 306.61,108.99 304.62,110.97 LED3,14.5V ; 325.59,108.99 323.6,110.97 LED3,15.5V ; 377.14,6.23 377.09,6.19 375.16,6.19 ; 377.14,6.23 396.21,6.23 398.31,4.13 403.74,4.13 413.9,14.29 LED2,19.5V ; 42.17,4.19 40.16,6.2 LED7,2.5V ; 42.17,4.19 78.47,4.19 80.77,6.49 83.02,6.49 85.32,4.19 158.97,4.19 ; 42.17,4.19 18.47,4.19 v1(18.31,4.34) 16.46,6.2 LED7,1.5V ; 396,28.38 395.83,28.55 357.36,28.55 ; 396,28.38 395.89,28.49 ; v1(278.51,85.09) 279.16,85.74 295.78,85.74 ; LED4,1.5V 11.81,64.95 11.3,65.45 11.3,66.17 v1(11.81,66.67) 11.86,66.73 33.81,66.73 ; LED2,7.5V 145.13,112.34 143.21,114.26 ; 162.36,114.26 143.21,114.26 ; 162.36,114.26 164.28,112.34 LED2,8.5V ; LED3,4.5V 71.1,82.38 73.24,80.25 ; LED7,10.5V 254.46,6.2 256.47,4.19 ; 252.84,114.35 234.04,114.35 ; 252.84,114.35 254.62,112.57 LED2,12.5V ; 252.84,114.35 271.96,114.35 ; 234.04,114.35 235.82,112.57 LED2,11.5V ; 234.04,114.35 216.64,114.35 216.23,113.94 216.23,112.93 216.58,112.57 LED2,10.5V ; LED4,2.5V 35.59,64.95 33.81,66.73 ; 295.78,85.74 297.64,83.87 LED4,14.5V ; LED4,19.5V 397.54,64.82 395.71,66.66 395.42,66.66 ; 64.47,127.99 84.57,127.99 ; 64.47,127.99 46.37,127.99 ; 64.47,127.99 62.45,130.01 LED1,3.5V ; 84.57,127.99 83.97,127.99 81.95,130.01 LED1,4.5V ; 84.57,127.99 99.61,127.99 105.41,133.79 105.41,134.87 107.09,136.55 108.17,136.55 ; 135.27,127.89 126.17,127.89 v1(125.47,128.59) ; 135.27,127.89 154.67,127.89 ; 135.27,127.89 133.26,129.9 LED1,6.5V ; 23.17,42.26 7.91,42.26 v1(6.86,43.31) ; 23.17,42.26 49.45,42.26 ; 208.97,4.19 206.96,6.2 LED7,8.5V ; 208.97,4.19 185.37,4.19 183.07,6.49 180.87,6.49 178.57,4.19 173.27,4.19 ; 48.2,28.63 48.17,28.59 49.91,26.85 LED6,3.5V ; 48.2,28.63 67.23,28.63 ; 168.59,80.25 187.66,80.25 ; 168.59,80.25 166.44,82.4 LED3,9.5V ; 168.59,80.25 149.52,80.25 ; 187.66,80.25 185.51,82.4 LED3,10.5V ; LED3,16.5V 342.68,110.97 343.66,110 ; LED6,13.5V 266.87,54.92 263.16,51.2 263.16,48.38 262.46,47.69 248.12,47.69 248.1,47.66 ; 219.32,28.63 256.12,28.63 ; 256.12,28.63 314.67,28.63 ; 256.12,28.63 LED7,13.5V ; 271.96,114.35 282.31,114.35 286.86,118.9 286.86,131.19 ; 173.27,4.19 171.27,6.19 LED7,7.5V ; 173.27,4.19 158.97,4.19 ; 387.71,80.21 406.69,80.21 v1(406.73,80.25) 404.58,82.4 LED3,19.5V ; 387.71,80.21 368.64,80.21 366.45,82.4 LED3,17.5V ; 387.71,80.21 387.02,80.21 384.83,82.4 LED3,18.5V ; LED3,8.5V 147.37,82.4 149.52,80.25 ; 306.68,146.89 292.17,146.89 289.1,143.82 289.1,133.45 ; 306.68,146.89 304.49,149.07 LED1,14.5V ; 306.68,146.89 325.74,146.89 ; 395.42,66.66 402.39,66.66 403.56,67.83 403.56,70.46 401.09,72.93 401.09,80.17 401.05,80.21 ; 105.23,28.63 107.01,26.85 LED6,6.5V ; 105.23,28.63 86.13,28.63 ; 186.17,66.73 187.95,64.95 LED4,10.5V ; 186.17,66.73 167.15,66.73 ; 306.52,4.19 304.63,6.07 LED7,14.5V ; 306.52,4.19 325.49,4.19 ; 264.77,126.89 261.63,130.02 LED1,12.5V ; 264.77,126.89 282.57,126.89 286.86,131.19 ; 264.77,126.89 245.77,126.89 242.63,130.02 LED1,11.5V ; 285.7,130.02 LED1,13.5V ; 49.45,42.26 47.41,44.3 LED5,2.5V ; LED2,18.5V 418.8,65.17 418.8,75.87 v1(419.59,76.66) 423.88,80.95 423.88,82.1 423.58,82.4 LED2,17.5V ; LED5,9.5V 180.77,44.3 182.75,42.32 ; 90.94,66.73 92.72,64.95 LED4,5.5V ; 90.94,66.73 71.83,66.73 ; LED7,3.5V 64.06,6.2 66.07,4.19 ; LED1,2.5V 44.35,130.01 46.37,127.99 ; 52.85,66.73 54.63,64.95 LED4,3.5V ; 52.85,66.73 33.81,66.73 ; 52.85,66.73 71.83,66.73 ; LED4,8.5V 150.32,64.95 148.59,66.67 ; 52.85,114.35 54.63,112.57 LED2,3.5V ; 154.67,127.89 154.37,127.89 152.36,129.9 LED1,7.5V ; 154.67,127.89 173.47,127.89 ; LED6,12.5V 249.86,45.9 248.1,47.66 ; LED1,8.5V 171.46,129.9 173.47,127.89 ; 86.13,28.63 67.23,28.63 ; 325.74,146.89 323.55,149.07 LED1,15.5V ; 325.74,146.89 334.16,146.89 SW1,16.+ ; 201.85,42.26 220.88,42.26 ; 201.85,42.26 199.81,44.3 LED5,10.5V ; 220.88,42.26 218.84,44.3 LED5,11.5V ; 286.86,131.19 289.1,133.42 ; 35.12,80.25 32.98,82.38 LED3,2.5V ; 35.12,80.25 54.22,80.25 ; 35.12,80.25 v1(16.15,80.25) 14.01,82.38 LED3,1.5V ; 143.21,114.26 134.02,114.26 ; LED1,10.5V 223.63,130.02 226.77,126.89 ; 46.37,127.99 v1(27.38,127.99) SW1,1.+ ; 54.22,80.25 52.08,82.38 LED3,3.5V ; 54.22,80.25 73.24,80.25 ; LED7,18.5V 405.68,6.07 ; 167.15,66.73 168.93,64.95 LED4,9.5V ; 134.02,114.26 133.44,114.83 133.44,117.03 v1(126.23,124.25) v1(125.19,124.25) ; LED4,13.5V 264.96,83.95 v1(263.4,83.95) ; 306.61,61.33 304.59,63.35 LED5,14.5V ; LED6,15.5V 316.51,26.77 314.67,28.61 ; LED7,6.5V 135.56,6.2 137.57,4.19 158.97,4.19 ; 226.77,126.89 246.07,126.89 ; LED1,5.5V 101.63,130.01
